# KiCad board PC110.kicad_pcb (continued)
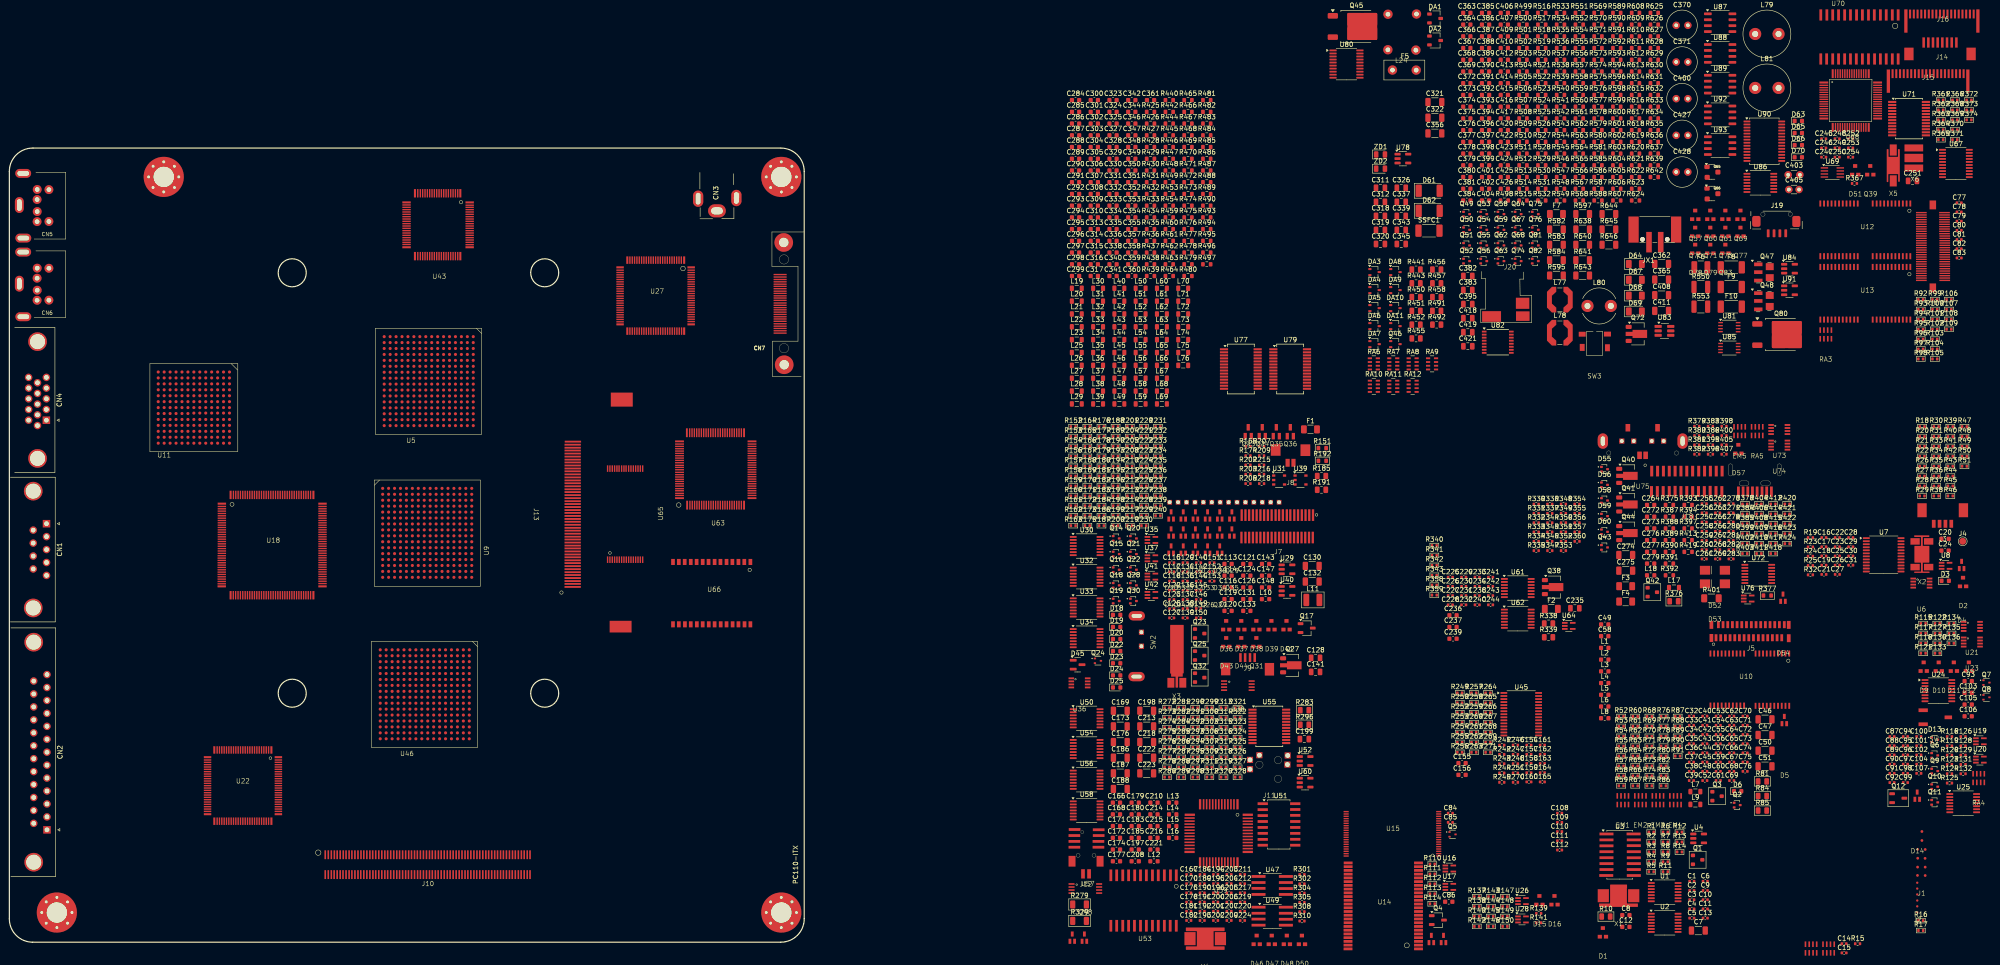
[diagram p0: board, top side]
## Nets (continued)
PNET4_PC110: C392.2 C406.1 D66.1 D68.1 D69.1 Q66.2 Q74.2 R565.2 R569.2 R587.1 R604.2 R627.2 U87.1 U87.2 U87.3 U88.1 U88.2 U88.3
PNET5: C21.2 C108.1 C111.1 C112.1 C122.1 C154.1 C207.2 C259.2 C261.2 C270.2 C271.1 D15.1 D15.3 D16.1 D16.3 D24.1 D50.3 F4.2 J7.10 J7.11 J7.30 Q3.2 Q12.2 Q25.2 Q31.1 Q39.1 Q40.3 Q42.2 Q44.3 R141.2 R222.1 R241.2 R311.1 R313.1 R314.1 R315.1 R317.1 R319.2 R320.2 R321.2 R322.2 R329.2 R379.1 R380.2 R382.1 R383.1 R385.2 R386.1 R405.1 R407.1 R416.2 R417.2 R418.2 R420.1 R421.2 R422.1 R424.1 R465.1 R466.1 R472.1 R572.1 R610.1 U7.24 U16.5 U17.5 U27.96 U36.8 U45.1 U45.2 U45.25 U45.30 U54.14 U58.14 U59.20 U59.27 U71.24 U72.14 U74.8 U90.21
PNET5_PC110: C381.2 C404.2 C427.1 C428.2 Q58.3 Q77.3 R498.2 R499.2 R532.1 R533.2 R572.2 R595.2 R597.1 R610.2 R643.1 R644.1 R645.1 U81.8 U84.5
PNET6: C169.1 C173.1 C175.2 C209.1 R272.2 R279.1 R281.1 R289.1 R325.1 U47.8 U49.8
PNET7: C18.1 C31.1 C84.1 C85.2 Q23.3 R31.1 R114.1 R132.2 R140.1 R181.2 R186.1 R191.1 R242.1 R243.1 R244.1 R245.1 R246.1 R247.1 R248.1 R249.1 R253.1 R330.2 R331.2 R332.2 R333.2 R334.2 R335.2 R336.2 R337.2 R339.1 R344.2 R414.1 R415.1 R423.1 RA4.5 RA4.6 RA4.7 RA4.8 U8.5 U14.25 U14.35 U15.30 U15.31
PNET8: C136.2 C141.1 Q31.2 Q33.1 Q35.1 R206.2 R208.1 U38.8
PNET9: C158.1 C160.2 C164.1 J10.104 J10.105 R251.2 R263.2 R265.1 R266.2 R267.1 R269.1 R271.2 U45.20 U46.E10 U46.H13
PNET10: C157.1 C159.1 C165.1 J10.34 J10.35 R250.1 R256.1 R257.1 R258.1 R259.1 R260.1 R261.1 U45.10 U46.N7 U46.N12
PNET12: C226.1 C228.1 C231.1 C232.1 C233.2 C234.2 C235.2 F2.1 Q38.3 R338.2 R339.2 R345.2 R348.2 R352.1 R358.2 U61.14 U62.14 U63.5 U63.15 U63.38 U63.56 U63.65 U63.88 U64.5 U65.8
PS2_L1_Pluto: L18.1 R384.2 U22.30
PSU_AUX_SW1: J7.28 R210.1 R611.1 U32.1
PWR_IN_10v5: C425.2 D68.2 D69.2 D70.1 Q57.3 Q68.2 Q80.2 R511.2 R638.1 R640.2
PWRGD: D7.3 R138.1 U1.12 U6.6 U7.9 U18.47 U21.3 U22.67 U27.56
PWRGD_shift: C197.1 R171.2 U7.16 U36.1
PWRGD_shift_buff: D33.3 D34.3 R406.2 U16.2 U36.7 U43.27 U58.1 U58.10 U58.13
Q43_2: C120.2 D22.1 J7.13 Q17.2 R574.1
R73_2: C93.2 J7.15 R115.2 R576.1
R284_2: C113.1 J7.14 R156.1 R157.2 R575.1
R412_1: J7.20 R128.1 R129.1 R131.1 R581.1
RAM_A0: J6.17 R38.1 R50.1 R51.1 U12.18 U13.18
RAM_A1: J6.18 R36.1 R37.1 R39.1 U12.19 U13.19
RAM_A2: J6.19 R34.1 R35.1 R40.1 U12.20 U13.20
RAM_A3: J6.20 R33.1 R41.1 U12.21 U13.21
RAM_A4: J6.41 R42.1 R98.2 U12.24 U13.24
RAM_A5: J6.42 R43.1 R97.2 U12.25 U13.25
RAM_A6: J6.43 R44.1 R96.1 U12.26 U13.26
RAM_A7: J6.44 R45.1 U12.27 U13.27
RAM_A8: J6.45 R46.1 U12.28 U13.28
RAM_A9: J6.46 R47.1 U12.29 U13.29
RAM_A10: J6.16 R48.1 R95.2 U12.17 U13.17
RAM_A11: J6.15 R49.1 R94.1 U12.16 U13.16
RAM_ID0: J6.60 R99.1 U22.31
RAM_ID1: J6.31 R101.1 U22.32
RAMWE#: J6.50 R100.2 U12.14 U13.14
RESET: D44.1 D44.3 R233.1 U1.11 U11.K10 U27.55 U46.T3
RIOUT#: U23.6 U46.C8
RTCBAT: C16.2 C19.1 C20.1 D2.2 R20.2 R23.2 R135.2 U6.8 U9.T11
SA0: J13.39 U7.11 U9.E15 U15.21 U18.55 U22.8 U27.26 U46.F5 U63.35
SA1: J13.37 U9.E16 U14.13 U15.20 U18.56 U22.9 U27.27 U46.D4 U59.42 U63.34
SA2: J13.35 U14.12 U15.19 U18.57 U22.10 U27.28 U46.C2 U59.43 U63.33 U68.7
SA3: U14.11 U15.18 U18.58 U22.11 U27.29 U46.E4 U59.45
SA4: U14.10 U15.17 U18.59 U22.12 U27.30 U46.G5 U59.46
SA5: U14.9 U15.16 U18.60 U22.15 U27.31 U46.D2 U59.47
SA6: U14.8 U15.15 U18.61 U22.16 U27.32 U46.E3 U59.48
SA7: U14.7 U15.14 U18.62 U22.17 U27.39 U46.E2 U59.49
SA8: U14.6 U15.8 U18.63 U22.18 U27.40 U46.F1 U59.50
SA9: U14.44 U15.7 U18.65 U22.19 U27.41 U46.G4 U59.51
SA10: U14.43 U15.36 U18.66 U22.20 U46.F3
SA11: U14.42 U15.6 U18.67 U22.21 U46.G2
SA12: U14.41 U15.5 U18.68 U20.1 U22.22 U46.G3
SA13: U15.4 U18.69 U20.2 U46.H2
SA14: U15.3 U18.70 U22.24 U46.H4
SA15: U15.2 U18.71 U22.25 U46.H3
SD0: J13.41 R330.1 U9.L13 U14.17 U15.25 U18.96 U22.33 U27.46 U46.K2 U55.3 U63.22 U68.3
SD1: J13.43 R331.1 U9.L16 U14.19 U15.26 U18.95 U22.34 U27.47 U46.L1 U55.4 U63.21 U68.2
SD2: J13.45 R332.1 U9.L15 U14.21 U15.27 U18.94 U22.35 U27.48 U46.L2 U55.5 U63.19 U68.1
SD3: J13.3 R333.1 U9.L14 U14.23 U15.28 U18.93 U22.36 U27.49 U46.M1 U55.6 U63.18 U68.64
SD4: J13.5 R334.1 U9.L12 U14.26 U15.32 U18.92 U22.39 U27.51 U46.L4 U55.7 U63.17 U68.63
SD5: J13.7 R335.1 U9.M16 U14.28 U15.33 U18.91 U22.40 U27.52 U46.M2 U55.8 U63.16 U68.62
SD6: J13.9 R336.1 U9.M15 U14.30 U15.34 U18.89 U22.41 U27.53 U46.M3 U55.9 U63.14 U68.61
SD7: R337.1 U9.M12 U14.32 U15.35 U18.88 U22.42 U27.54 U46.N2 U55.10 U68.60
SD8: J13.44 U9.N16 U14.18 U46.A5 U63.9
SD9: J13.46 U9.N15 U14.20 U46.B6 U63.8
SD10: J13.48 U9.M13 U14.22 U46.C6 U63.7
SD11: J13.4 U9.N14 U14.24 U46.A6 U63.6
SD12: J13.6 U9.P16 U14.27 U46.B7 U63.4
SD13: J13.8 U9.P15 U14.29 U46.C7 U63.3
SD14: J13.10 U9.P14 U14.31 U46.A7 U63.2
SD15: J13.12 U9.R16 U14.33 U46.B8 U63.1
U8_1A3_KB_TP139: R211.2 U67.6
U8_2A1_KB_RXD: R219.2 U67.11
U21_97: R230.1 U18.97
U21_98: R229.2 U18.98
U21_101: R227.2 U18.101
U21_102: R226.1 U18.102
U21_103: R225.2 U18.103
U21_104: R224.2 U18.104
U21_105: R223.1 U18.105
U21_131: J7.27 R612.1 U18.131
U21_139: D45.1 D45.3 R238.1 U18.139
U30_D0: R158.2 U22.1 U30.2
U53_2CLK: R161.1 U22.3 U25.11 U30.3
U54_1PRE#: U34.4 U35.4
U61_RAM_LCASL#: R108.1 U9.D8 U13.32
U61_RAM_LCASU#: R106.1 U9.A9 U12.32
U61_RAM_RAMWE#: R100.1 U9.B8
U61_RAM_RAS0: R92.2 U9.C13
U61_RAM_RAS2: R105.1 U9.B13
U61_RAM_RAS3: R104.1 U9.A13
U61_RAM_UCASL#: R109.2 U9.A8 U13.31
U61_RAM_UCASU#: R107.1 U9.D9 U12.31
U61_RTCBAT_470K: Q21.3 R23.1 U9.P10
U71_OR1_IN2: U7.19 U58.2
U106_1CLK: R164.2 U33.3 U43.11
UNKNOWN1: U7.4 U9.R13
UNKNOWN2: U7.5 U9.N12
VGA_ADDHI: U11.J10 U18.124
VGA_Blue: D60.3 R81.1 U11.C10
VGA_CLK: R9.1 U11.K9
VGA_Green: D59.3 R84.1 U11.A12
VGA_HSync: D55.3 R75.1
VGA_Red: D58.3 R85.1 U11.D9
VGA_VSync: D56.3 R78.1
YellowWire1_2: Q15.3 Q30.1 R406.1
YellowWire2_1: C130.1 D36.1 D37.3 D54.1 R185.1
YellowWire2_3: D54.2 J7.6 R570.1
YMF_CLK: R5.2 U50.3
YMF_CS#_Buf: U1.2 U54.2 U56.12 U59.14
YMF_RD#_Buf: U54.5 U58.12 U71.18
YMF_SA0_A0: U7.14 U54.12 U59.41
YMF_VSS_Res: Q11.3 R135.1 U9.P12
YMF_WR#_Buf: U54.9 U58.9 U71.17
Net-(C4--): C4.2 C6.2 U3.2 X1.2
Net-(C5-+): C5.1 C6.1 U3.3 X1.1
Net-(C10--): C7.2 C8.2 C9.2 C10.2 R10.2 U3.4 U3.13
Net-(C11--): C11.2 D1.2 Q1.3 R10.1 R12.1 R14.1 U3.10 U3.16
Net-(C46--): C46.2 C47.2 C49.1 L1.1 U11.M11
Net-(C50--): C50.2 C51.2 C52.1 L2.2 U11.N12
Net-(C53-+): C53.1 J5.26 L4.2
Net-(C54--): C54.2 J5.27 L3.1
Net-(C55--): C55.2 J5.29 L5.2
Net-(C58-+): C58.1 C60.1 J5.4 L7.1 R90.2
Net-(C59--): C59.2 J5.2 L6.1
Net-(C65-+): C65.1 J5.5 R90.1
Net-(C71-+): C71.1 J5.6 L8.1
Net-(C86-+): C86.1 D7.1 Q4.3 R111.1 U15.11
Net-(C114--): C114.2 D20.1 R157.1 U31.2
Net-(C123-+): C123.1 R170.2 U34.1
Net-(C124--): C124.2 R173.2 U34.13
Net-(C126-+): C126.1 D26.3 D27.3 D28.3 Q20.1 R175.2
Net-(C126--): C126.2 C127.2 Q20.2
Net-(C128--): C128.2 Q27.2 R185.2
Net-(C131--): C131.2 D38.2 F1.1 Q29.1
Net-(C132-+): C132.1 L11.1 Q29.3
Net-(C133-+): C133.1 Q27.3 R190.1
Net-(C133--): C133.2 Q26.2 R190.2
Net-(C134-+): C134.1 C135.1
Net-(C142--): C142.2 Q32.2 R201.1 U39.2
Net-(C143-+): C143.1 Q32.1 U39.5
Net-(C147-Pad1): C147.1 C148.2
Net-(C167-+): C167.1 C172.2 R278.1 U47.7
Net-(C167--): C167.2 R274.2 R275.2 R276.2 R277.2 R278.2 U47.6
Net-(C168-+): C168.1 C170.2 R280.1 U48.7
Net-(C171--): C171.2 R277.1
Net-(C172-+): C172.1 U49.1
Net-(C174-+): C174.1 Q37.3 R281.2
Net-(C177-Pad2): C177.2 R284.2
Net-(C179-+): C179.1 U49.6
Net-(C179--): C179.2 R290.2 R291.2 U47.3
Net-(C180-Pad1): C180.1 R289.2 R290.1
Net-(C183-+): C183.1 R286.2
Net-(C184-+): C184.1 R284.1 R294.1 U47.2
Net-(C184--): C184.2 C186.2 C187.2 R294.2 U47.1
Net-(C186-+): C186.1 C187.1 L12.1
Net-(C188-Pad2): C188.2 C200.2 R296.1
Net-(C196-Pad1): C196.1 U56.11
Net-(C203-+): C203.1 R306.1 R316.1 U57.4
Net-(C203--): C203.2 J12.2 R316.2 U57.5
Net-(C210-+): C210.1 U59.4
Net-(C210--): C210.2 R323.1 R326.1
Net-(C213-+): C213.1 R325.2 R326.2
Net-(C214-+): C214.1 U59.1
Net-(C214--): C214.2 C219.2 U59.2
Net-(C215-+): C215.1 U59.7
Net-(C215--): C215.2 C220.2 U59.8
Net-(C216-+): C216.1 U59.10
Net-(C218--): C218.2 C221.1 R328.1 U59.11
Net-(C225-+): C225.1 C227.1 F2.2 J13.25 J13.26
Net-(C229-Pad1): C229.1 C230.2
Net-(C229-Pad2): C229.2 R357.2
Net-(C248--): C248.2 U68.23 X5.1
Net-(C249--): C249.2 U68.22 X5.2
Net-(C251-+): C251.1 D51.1 D51.3 R374.1 U70.16
Net-(C253--): C253.2 U70.27 X6.2
Net-(C254-+): C254.1 U70.26 X6.1
Net-(C256-+): C256.1 J17.4 L17.2
Net-(C257-+): C257.1 J17.7 L18.2
Net-(C258-+): C258.1 EM5.1 J17.5
Net-(C262-+): C262.1 EM5.2 J17.3
Net-(C263--): C263.2 EM5.3 J17.6
Net-(C264-+): C264.1 Q40.1 R381.2
Net-(C264--): C264.2 F3.2 Q40.2
Net-(C265--): C265.2 EM5.4 J17.2
Net-(C272-+): C272.1 Q41.1 R395.1 R396.2
Net-(C273--): C273.2 C275.1 R397.1 U75.6
Net-(C274--): C274.2 R401.1 U75.8
Net-(C276--): C276.2 U75.5
Net-(C277--): C277.2 U75.3
Net-(C278-+): C278.1 U73.1 U75.1
Net-(C279--): C279.2 J18.18
Net-(C283-+): C283.1 D57.1 D57.3 R404.1 U76.2
Net-(C284-+): C284.1 CN1.1 L19.2
Net-(C285--): C285.2 CN2.13 L20.2
Net-(C286-+): C286.1 CN1.9 L21.2
Net-(C288--): C288.2 CN2.12 L22.2
Net-(C289-+): C289.1 CN3.2 L24.1
Net-(C289--): C289.2 CN3.1 L24.3
Net-(C290-+): C290.1 CN1.8 L23.2
Net-(C292--): C292.2 CN2.11 L25.2
Net-(C293-+): C293.1 CN1.7 L26.2
Net-(C294--): C294.2 CN2.10 L27.2
Net-(C295-+): C295.1 F5.1 L24.4 SSFC1.1
Net-(C296-+): C296.1 CN1.6 L28.2
Net-(C297--): C297.2 CN2.9 L29.2
Net-(C298-+): C298.1 CN1.4 L30.2
Net-(C299--): C299.2 CN2.8 L31.2
Net-(C300-+): C300.1 Q45.3 R441.2 R443.1
Net-(C301-+): C301.1 CN1.3 L32.2
Net-(C302--): C302.2 CN2.7 L33.2
Net-(C303--): C303.2 CN1.2 L34.2
Net-(C304--): C304.2 CN2.6 L35.2
Net-(C305--): C305.2 CN2.5 L36.2
Net-(C306--): C306.2 CN2.17 L37.2
Net-(C307--): C307.2 CN2.4 L38.2
Net-(C308--): C308.2 CN2.16 L39.2
Net-(C309--): C309.2 CN2.3 L40.2
Net-(C310--): C310.2 CN2.15 L41.2
Net-(C311-+): C311.1 U77.4
Net-(C311--): C311.2 U77.2
Net-(C312--): C312.2 U77.1
Net-(C313--): C313.2 CN2.2 L42.2
Net-(C314--): C314.2 CN2.14 L43.2
Net-(C315--): C315.2 CN2.1 L44.2
Net-(C317--): C317.2 R465.2 U78.5
Net-(C318-+): C318.1 U77.28
Net-(C318--): C318.2 U77.26
Net-(C319-+): C319.1 U77.25
Net-(C320-+): C320.1 U79.4
Net-(C320--): C320.2 U79.3
Net-(C321-+): C321.1 C322.1 U79.1
Net-(C323-+): C323.1 R472.2 R473.1 U79.2
Net-(C324-+): C324.1 C325.1 U79.28
Net-(C326-+): C326.1 U79.26
Net-(C326--): C326.2 U79.27
Net-(C327--): C327.2 CN7.26 L45.2
Net-(C328-+): C328.1 CN7.25 L46.2
Net-(C329-+): C329.1 CN7.24 L47.2
Net-(C330-+): C330.1 CN7.23 L48.2
Net-(C331--): C331.2 CN7.22 L49.2
Net-(C332--): C332.2 CN7.21 L50.2
Net-(C333--): C333.2 CN7.20 L51.2
Net-(C334--): C334.2 CN7.19 L52.2
Net-(C336-+): C336.1 CN7.17 L53.2
Net-(C338--): C338.2 CN7.15 L54.2
Net-(C340-+): C340.1 C341.1 L55.1 L61.2 L62.2
Net-(C342-+): C342.1 CN7.13 L56.1
Net-(C343-+): C343.1 CN4.14 L57.2
Net-(C344--): C344.2 CN7.12 L58.2
Net-(C345-+): C345.1 CN4.13 L65.2
Net-(C346--): C346.2 CN5.1 CN6.2 L59.1
Net-(C347--): C347.2 CN7.11 L66.2
Net-(C348--): C348.2 CN6.1 L64.1
Net-(C350--): C350.2 CN5.5 CN6.6 L60.1
Net-(C351-+): C351.1 CN7.9 L67.2
Net-(C352--): C352.2 CN6.5 L63.1
Net-(C354-+): C354.1 CN7.8 L68.2
Net-(C355-+): C355.1 CN7.7 L70.2
Net-(C356--): C356.2 C359.2 C361.2 CN7.2 CN7.18 L69.2 R497.2
Net-(C357-+): C357.1 CN7.6 L74.2
Net-(C358--): C358.2 CN7.5 L75.2
Net-(C360-+): C360.1 CN7.14 L76.2
Net-(C363-+): C363.1 R503.2
Net-(C363--): C363.2 R501.2 U81.2
Net-(C364-+): C364.1 R504.2 U81.5 U81.7
Net-(C364--): C364.2 R505.2
Net-(C367-+): C367.1 F6.1 L77.2
Net-(C368-+): C368.1 F7.1 L78.1
Net-(C372-+): C372.1 Q51.3 R507.1 R509.1 R510.1 U82.3
Net-(C373-+): C373.1 C375.1 U82.5
Net-(C373--): C373.2 R508.2
Net-(C375--): C375.2 R508.1 R525.2 R526.1 U82.4
Net-(C376--): C376.2 Q51.1 R519.2 U82.7
Net-(C377-+): C377.1 Q52.3 R515.1 R516.2 U82.14
Net-(C378-+): C378.1 Q52.1 R514.1
Net-(C379-+): C379.1 R521.1
Net-(C379--): C379.2 R523.1 U82.12
Net-(C380-+): C380.1 C382.2 C385.1 C386.2 Q51.2 Q52.2 R524.2 R525.1 R527.2 R528.1 U82.16
Net-(C383--): C383.2 U82.15
Net-(C384-+): C384.1 R532.2 U82.9
Net-(C385--): C385.2 R527.1 R536.1 U82.11
Net-(C386-+): C386.1 R528.2 R529.2 U82.6
Net-(C387-+): C387.1 R540.2 R541.1 U83.2 U83.5
Net-(C387--): C387.2 Q59.3 R540.1
Net-(C388--): C388.2 R538.1 U82.1
Net-(C389-+): C389.1 R543.1 R547.1 U85.2
Net-(C389--): C389.2 Q60.1 R543.2 U85.1
Net-(C390-+): C390.1 R544.1 R545.1 R546.1 U85.3
Net-(C391--): C391.2 R549.2 R554.2 U86.2
Net-(C392-+): C392.1 R551.2
Net-(C393--): C393.2 R551.1
Net-(C394-+): C394.1 Q62.3 R564.2
Net-(C394--): C394.2 C395.1 Q62.1 R548.1
Net-(C396-+): C396.1 R552.1 R556.1 U86.3
Net-(C396--): C396.2 Q67.1 R556.2
Net-(C397-+): C397.1 Q65.1 R560.1
Net-(C399--): C399.2 Q69.3 R557.1 R563.2 U86.9
Net-(C400--): C400.2 R582.1 R583.1
Net-(C402-+): C402.1 L79.2 R582.2 R583.2 R585.2
Net-(C402--): C402.2 R585.1 R620.2 R622.2 U90.1
Net-(C406--): C406.2 Q66.3 R564.1 R587.2 U88.4
Net-(C407--): C407.2 F8.2 L80.1 Q67.3 R584.2 R593.2
Net-(C409--): C409.2 R601.2 R618.1 U90.28
Net-(C410--): C410.2 R600.2 R619.2 U86.13
Net-(C411--): C411.2 D67.2 Q72.3 Q74.3
Net-(C412--): C412.2 U90.2
Net-(C413--): C413.2 F9.1 J19.4
Net-(C414-+): C414.1 L79.1 Q70.2 U89.3 U89.7 U89.8 U90.26
Net-(C414--): C414.2 Q78.3 U90.25
Net-(C415-+): C415.1 R623.2 U85.6
Net-(C415--): C415.2 Q60.3 U85.7
Net-(C416--): C416.2 R628.1 U90.23
Net-(C417-+): C417.1 Q80.3 R635.2 R636.1
Net-(C418-+): C418.1 U90.10
Net-(C419--): C419.2 R637.2 U90.3 U90.6 U90.12 U90.13
Net-(C421--): C421.2 Q78.2 R637.1 U90.22
Net-(C422-+): C422.1 R627.1 R634.1 U91.2
Net-(C423-+): C423.1 U90.14
Net-(C424-+): C424.1 L81.2 Q83.2 U90.17 U92.1 U92.2 U92.3 U93.5 U93.6 U93.7 U93.8
Net-(C424--): C424.2 Q78.1 U90.18
Net-(C426-+): C426.1 J20.2 R641.1 R646.2
Net-(C426--): C426.2 F10.1 R640.1 R646.1
Net-(CN2-P18): CN2.18 CN2.19 CN2.20 CN2.21 CN2.22 CN2.23 CN2.24 CN2.25
Net-(D2-A-Pad3): D2.3 R18.1
Net-(D3-K): D2.1 D3.1 R19.1
Net-(D4-K): D4.1 R19.2
Net-(D5-A): D5.2 R87.1
Net-(D5-common): D5.3 Q2.1 R83.1
Net-(D5-K): D5.1 R83.2 U11.A11
Net-(D6-K): D6.1 L6.2 R89.2
Net-(D7-K): D7.2 R110.2 U15.10
Net-(D8-Pad1): D8.1 D8.2 R114.2 U17.2
Net-(D13-Pad3): D13.3 R133.2
Net-(D14-A): D14.2 R134.1
Net-(D14-common): D14.3 Q10.1 R130.1
Net-(D15-K): D15.2 R142.2 R143.2 R144.2 R145.2
Net-(D16-K): D16.2 R146.2 R147.2 R148.2 R149.1 R150.1
Net-(D18-A): D18.2 Q16.3
Net-(D18-K): D18.1 R160.2
Net-(D19-K): D19.1 R152.1 R156.2 R159.2 U29.2
Net-(D21-K): D21.2 U33.5
Net-(D22-A): D22.2 D27.2
Net-(D23-A): D23.2 D27.1
Net-(D24-A): D24.2 D28.2
Net-(D25-A): D25.2 D28.1
Net-(D26-Pad2): D26.2 R172.1
Net-(D29-Pad2): D29.2 U23.3
Net-(D29-Pad3): D29.3 R174.2
Net-(D32-Pad1): D32.1 D32.2 D35.1 D35.2 R178.1 U37.2
Net-(D32-Pad3): D32.3 U32.4
Net-(D33-Pad2): D33.2 R179.1
Net-(D34-Pad1): D34.1 R180.1
Net-(D35-Pad3): D35.3 U32.2
Net-(D37-A): D37.1 L11.2 Q26.3
Net-(D38-A-Pad1): D38.1 D38.3 R191.2
Net-(D40-K): D40.1 D42.2
Net-(D41-A): C146.2 D39.1 D41.2 R204.1 U40.2
Net-(D41-K): D41.1 R220.1 U40.1 U42.2
Net-(D42-K): C149.2 D42.1 U41.5 U42.5
Net-(D43-K): D43.2 U41.4
Net-(D44-K): D44.2 U41.2 U42.4
Net-(D45-K): D45.2 U43.9
Net-(D47-K): D47.2 Q37.2 R286.1 R287.2 R288.1
Net-(D48-K): D48.2 U32.6
Net-(D50-K): D50.1 U36.3 U60.1
Net-(D57-K): D57.2 R404.2 U73.3
Net-(D61-A): D61.2 D62.2 F5.2 Q45.2 R450.2 R455.2 R456.2 SSFC1.2 ZD1.1
Net-(D63-A): D63.2 Q56.1
Net-(D64--): D64.2 L80.2 U87.5 U87.6 U87.7 U87.8
Net-(D65-K): D65.1 Q71.2 R621.1
Net-(D66-A+): D66.2 Q74.1 R624.2
Net-(D70-A): D70.2 R635.1
Net-(DA1-K): DA1.3 RA6.1 RA6.2 RA6.3 RA6.4
Net-(DA2-K): DA2.3 RA7.1 RA7.2 RA7.3 RA7.4
Net-(DA3-K): DA3.1 DA4.2 R475.2
Net-(DA4-K): DA4.1 DA5.2
Net-(DA5-K): DA5.1 DA6.2 DA7.2
Net-(DA6-common): DA6.3 R479.2 U80.11 U80.13 U80.15 U80.17
Net-(DA7-common): DA7.3 R478.2 U80.2 U80.4 U80.6 U80.8
Net-(DA10-A): DA8.2 DA9.2 DA10.2 DA11.1
Net-(F10-Pad2): F10.2 J20.1
Net-(J5-Pin_1): J5.1 J5.7 J5.16 J5.25 J5.28 J5.30 L9.1
Net-(J6-RAS2): J6.11 R103.2 R105.2
Net-(J6-RAS3): J6.49 R102.2 R104.2
Net-(J8-Pin_1): F1.2 J8.1
Net-(J11-G): J11.3 L13.2
Net-(J11-MO): C192.2 J11.5 L15.2
Net-(J11-SI): C189.1 J11.2 L12.2
Net-(J11-SO): C193.2 J11.1 L14.1
Net-(J12-Pin_1): J12.1 U57.8
Net-(J13-CE1#): J13.13 R347.1 R348.1 U63.37
Net-(J13-CE2#): J13.14 R345.1 R346.1 U63.39
Net-(J13-CSEL#): J13.28 R343.2
Net-(J13-IOR#): J13.18 R349.1 R354.2
Net-(J13-IOW#): J13.20 R353.1 R355.2
Net-(J17-GND-Pad1): J17.1 R377.2
Net-(J17-GND-Pad8): J17.8 R376.2
Net-(J18-DRT1#): J18.6 U56.8
Net-(J18-RTS1#): J18.9 U56.6
Net-(J18-TXD1): J18.11 U56.3
Net-(JX1-Pin_1): F8.1 JX1.1
Net-(JX1-Pin_2): JX1.2 R550.2 R553.2 R554.1 R557.2 R590.2
Net-(L3--): L3.2 R76.2
Net-(L4-+): L4.1 R77.2
Net-(L5-+): L5.1 R82.2
Net-(L7--): L7.2 Q3.3 R87.2 R89.1
Net-(L10--): L10.2 Q17.3 R151.1 R153.1
Net-(L14--): C194.1 L14.2 R306.2
Net-(L15-+): L15.1 R303.1
Net-(L16-+): L16.1 R323.2
Net-(L19-+): L19.1 R425.1 R426.2
Net-(L20-+): L20.1 R429.2
Net-(L21-+): L21.1 R427.1 R428.2
Net-(L22-+): L22.1 R432.2
Net-(L23-+): L23.1 R430.1 R431.2
Net-(L25-+): L25.1 R435.2
Net-(L26-+): L26.1 R433.1 R434.2
Net-(L27-+): L27.1 R438.2
Net-(L28-+): L28.1 R436.1 R437.2
Net-(L29-+): L29.1 R442.2
Net-(L30-+): L30.1 R439.1 R440.2
Net-(L31-+): L31.1 R446.1
Net-(L32-+): L32.1 R444.1 R445.2
Net-(L33-+): L33.1 R449.2
Net-(L34-+): L34.1 R447.1 R448.2
Net-(L35-+): L35.1 R453.2
Net-(L36-+): L36.1 R454.2
Net-(L37-+): L37.1 R459.2
Net-(L38-+): L38.1 R460.2
Net-(L39-+): L39.1 R461.2
Net-(L40-+): L40.1 R462.2
Net-(L41-+): L41.1 R463.2
Net-(L42-+): L42.1 R464.2
Net-(L43-+): L43.1 R467.2
Net-(L44-+): L44.1 R471.2
Net-(L57-+): L57.1 R492.2
Net-(L61-+): CN5.4 L61.1
Net-(L62-+): CN6.4 L62.1
Net-(L65-+): L65.1 R491.2
Net-(L71--): CN4.1 L71.2
Net-(L72--): CN4.2 L72.2
Net-(L73--): CN4.3 L73.2
Net-(L77-+): L77.1 Q47.3 Q47.5
Net-(L78--): L78.2 Q48.3 Q48.5
Net-(L81-+): L81.1 R643.2 R644.2 R645.2 U90.15
Net-(Q1-B): Q1.1 U1.13
Net-(Q2-C): Q2.3 R88.1
Net-(Q3-B): Q3.1 R88.2
Net-(Q4-B): Q4.1 R112.2
Net-(Q5-B): Q5.1 R113.2
Net-(Q5-C): Q5.3 R112.1
Net-(Q6-B): C105.2 Q6.1 R125.2
Net-(Q6-C): Q6.3 R122.2 U21.1 U22.45
Net-(Q7-B): Q7.1 R120.1
Net-(Q7-C): Q7.3 R128.2
Net-(Q8-B): Q8.1 R123.1
Net-(Q8-C): Q8.3 R129.2
Net-(Q9-B): Q9.1 R124.1
Net-(Q9-C): Q9.3 R131.2
Net-(Q10-C): Q10.3 R136.1
Net-(Q11-B): Q11.1 R133.1
Net-(Q12-B): Q12.1 R136.2
Net-(Q13-B): Q13.2 Q14.3 R153.2
Net-(Q13-C): Q13.3 R151.2
Net-(Q14-B): Q14.1 Q16.1 R154.2
Net-(Q15-B): Q15.1 R152.2 U29.1
Net-(Q17-B): Q17.1 R160.1
Net-(Q18-B): Q18.1 R169.1
Net-(Q19-B): Q19.1 R171.1
Net-(Q19-C): C118.1 Q19.3 R163.2 U30.13
Net-(Q21-B): Q21.1 R174.1
Net-(Q22-B): Q22.1 R181.1
Net-(Q22-C): Q22.3 R183.1
Net-(Q22-E): D33.1 Q22.2
Net-(Q23-B): Q23.1 R179.2 R183.2
Net-(Q24-B): Q24.1 R182.1
Net-(Q24-C): Q24.3 R184.1
Net-(Q24-E): D34.2 Q24.2
Net-(Q25-B): Q25.1 R180.2 R184.2
Net-(Q28-B): Q28.1 R189.2
Net-(Q29-B): Q29.2 R192.1
Net-(Q30-C): Q30.3 R192.2
Net-(Q31-B): Q31.3 U43.39
Net-(Q33-C): Q33.2 R202.2
Net-(Q35-C): Q35.2 R203.2
Net-(Q38-B): Q38.1 R360.1
Net-(Q38-C): C236.1 Q38.2 U66.28
Net-(Q41-E): F4.1 Q41.3 R395.2
Net-(Q42-C): Q42.3 R397.2
Net-(Q43-B): Q43.1 R400.2
Net-(Q43-C): Q43.3 R398.1
Net-(Q44-B): Q44.1 R399.1
Net-(Q44-C): Q44.2 R401.2
Net-(Q46-B): Q46.1 R457.1 R458.2
Net-(Q49-B): Q49.1 R506.2
Net-(Q49-C): Q49.3 Q53.1 R518.2
Net-(Q50-B): Q50.1 R512.2 R513.2 R518.1
Net-(Q53-B): Q53.3 Q54.3 Q56.3 R520.2
Net-(Q54-C): Q54.1 R517.2
Net-(Q55-C): Q55.1 R520.1
Net-(Q57-common): Q57.2 R539.1 R541.2 U83.6
Net-(Q58-B): Q58.1 R535.1
Net-(Q58-E): Q58.2 R530.2
Net-(Q59-B): Q59.1 R533.1
Net-(Q59-E): Q59.2 R537.1 U84.4
Net-(Q60-A): Q60.2 R530.1 R531.1 U84.1
Net-(Q61-K): Q61.2 R555.1 R558.2
Net-(Q63-B): Q63.1 R555.2
Net-(Q63-C): Q63.3 R562.2
Net-(Q64-B): Q64.1 R558.1
Net-(Q64-C): Q64.3 R566.2
Net-(Q65-D): Q65.3 Q66.1 R565.1
Net-(Q67-B): Q67.2 R566.1
Net-(Q68-B): Q68.3 R586.2
Net-(Q68-C): Q68.1 R562.1
Net-(Q73-K): Q61.3 Q73.2 R535.2 R642.2
Net-(Q75-C): Q75.3 R626.2
Net-(Q76-B): Q76.1 R629.1
Net-(Q76-C): Q76.3 R624.1
Net-(Q77-A): Q77.2 R630.2
Net-(Q77-K): Q77.1 R625.2
Net-(Q81-B): Q81.1 R639.1
Net-(Q81-C): Q81.3 R544.2 R545.2 R633.2
Net-(Q82-B): Q82.2 R639.2
Net-(Q82-C): Q82.1 R642.1
Net-(R1-Pad1): R1.1 U2.2 U2.5 U2.12
Net-(R2-Pad1): R2.1 U2.9
Net-(R3-Pad1): R3.1 R4.1 U2.8
Net-(R5-Pad1): R5.1 R6.1 U2.11
Net-(R7-Pad2): R7.2 R8.2 U2.6
Net-(R9-Pad2): R9.2 U2.3
Net-(R113-Pad1): R113.1 U16.4
Net-(R188-Pad2): R188.2 U37.4
Net-(R292-Pad2): R292.2 R295.1 U48.1
Net-(R305-Pad2): R305.2 U1.10
Net-(R360-Pad2): R360.2 U64.4
Net-(R396-Pad1): R396.1 R398.2
Net-(R400-Pad1): R400.1 U36.2
Net-(R443--): R443.2 ZD1.2
Net-(R450-+): R450.1 R451.2
Net-(R456-+): R456.1 R457.2
Net-(R468--): R468.2 U77.23
Net-(R469-+): R469.1 U78.2
Net-(R474--): R474.2 U79.16
Net-(R491-+): R491.1 U80.12 U80.14 U80.16 U80.18
Net-(R492-+): R492.1 U80.3 U80.5 U80.7 U80.9
Net-(R498-+): R498.1 U81.1 U81.3 U82.10
Net-(R499-+): R499.1 U81.6
Net-(R500-+): R500.1 R502.1 SW3.2
Net-(R501-+): Q47.1 R501.1 R503.1
Net-(R504-+): Q48.1 R504.1 R505.1
Net-(R511-+): R511.1 R512.1
Net-(R521--): R521.2 R522.1 R523.2 R524.1 U82.13
Net-(R534-+): R534.1 R539.2
Net-(R537--): R537.2 R538.2 U84.3
Net-(R542-+): R542.1 U82.2
Net-(R559--): R559.2 R561.2 U86.10
Net-(R586-+): R586.1 R588.1 U86.5
Net-(R589--): R589.2 R591.2 R592.2 U86.6
Net-(R590-+): Q69.1 R590.1 R599.1 U86.12
Net-(R593-+): R593.1 R594.2
Net-(R595-+): Q71.3 R595.1 R596.2
Net-(R597--): Q71.1 R597.2 R598.2
Net-(R626-+): R626.1 R631.1 R633.1 U85.5
Net-(R629--): R629.2 R632.1 U91.1
Net-(R632--): R632.2 R634.2
Net-(RA1-R1.1): RA1.1 U5.P4
Net-(RA1-R2.1): RA1.2 U5.T5
Net-(RA1-R3.1): RA1.3 U5.R5
Net-(RA1-R4.1): RA1.4 U5.P5
Net-(RA2-R1.1): RA2.1 U5.L16
Net-(RA2-R2.1): RA2.2 U5.R13
Net-(RA2-R3.1): RA2.3 U5.T10
Net-(RA2-R4.1): RA2.4 U5.T7
Net-(RA4-R1.1): D11.1 D11.3 RA4.1 U22.69
Net-(RA4-R2.1): D12.1 D12.3 RA4.2 U22.68
Net-(RA4-R3.1): D9.1 D9.3 RA4.3 U22.71
Net-(RA4-R4.1): D10.1 D10.3 RA4.4 U22.70
Net-(SW1-B): R125.1 R126.2 SW1.2
Net-(SW2-B): R162.1 R166.1 SW2.2
Net-(U1-Pad1): U1.1 U1.8
Net-(U1-Pad4): U1.4 U1.9
Net-(U3-3XCPUCLK): R11.1 U3.14
Net-(U3-14.318MHz): R1.2 U3.11
Net-(U3-24MHz): R2.2 U3.6
Net-(U3-OE): R13.1 U3.9 U4.1
Net-(U4-CD): C12.1 D1.3 U4.5
Net-(U4-VDD): C13.1 D1.1 R14.2 U4.2
Net-(U5-A30): R15.2 U5.T6
Net-(U5-CLK_CPU): R16.1 R17.2 U5.A9
Net-(U7-A3): R28.1 U7.6 U9.P13
Net-(U9-CPUCLK33): R32.2 U9.J3
Net-(U9-IOR#): R30.1 U9.J15
Net-(U9-IOW#): R29.2 U9.J14
Net-(U9-MEMR#): R26.2 U9.F13
Net-(U9-MEMW#): R27.2 U9.G14
Net-(U9-PS/RCLR#): C24.1 R20.1 U9.M11
Net-(U9-PWRGD): R21.2 U6.2 U9.R10
Net-(U9-RAMA0): R38.2 U9.C12
Net-(U9-RAMA1): R39.2 U9.E12
Net-(U9-RAMA2): R40.2 U9.B12
Net-(U9-RAMA3): R41.2 U9.E11
Net-(U9-RAMA4): R42.2 U9.C11
Net-(U9-RAMA5): R43.2 U9.B11
Net-(U9-RAMA6): R44.2 U9.A11
Net-(U9-RAMA7): R45.2 U9.D11
Net-(U9-RAMA8): R46.2 U9.B10
Net-(U9-RAMA9): R47.2 U9.A10
Net-(U9-RAMA10): R48.2 U9.D10
Net-(U9-RAMA11): R49.2 U9.C9
Net-(U9-RESET): U8.2 U9.N13
Net-(U9-RTCOSCI): C23.2 U9.R11 X2.1
Net-(U9-RTCOSCO): C25.2 U9.P11 X2.4
Net-(U9-TP1): J4.1 U9.T14
Net-(U9-UNKNOWN3): R24.2 U9.R8
Net-(U9-UNKNOWN4): R25.2 U9.N8
Net-(U10-A0): R58.1 U10.16 U11.G2
Net-(U10-A1): U10.17 U11.G1
Net-(U10-A2): U10.18 U11.G3
Net-(U10-A3): U10.19 U11.G5
Net-(U10-A4): U10.22 U11.H1
Net-(U10-A5): R57.1 U10.23 U11.H2
Net-(U10-A6): U10.24 U11.H5
Net-(U10-A7): U10.25 U11.H3
Net-(U10-A8): R56.1 U10.26 U11.J1
Net-(U10-DQ0): R74.1 U10.2 U11.L1
Net-(U10-DQ1): R73.2 U10.3 U11.K3
Net-(U10-DQ2): R72.2 U10.4 U11.L2
Net-(U10-DQ3): R71.2 U10.5 U11.K4
Net-(U10-DQ4): R70.2 U10.7 U11.L3
Net-(U10-DQ5): R69.2 U10.8 U11.N1
Net-(U10-DQ6): R68.2 U10.9 U11.M2
Net-(U10-DQ7): R67.2 U10.10 U11.L4
Net-(U10-DQ8): R66.1 U10.31 U11.N2
Net-(U10-DQ9): R65.1 U10.32 U11.M3
Net-(U10-DQ10): R64.2 U10.33 U11.K5
Net-(U10-DQ11): R63.1 U10.34 U11.J5
Net-(U10-DQ12): R62.1 U10.36 U11.N3
Net-(U10-DQ13): R61.2 U10.37 U11.M4
Net-(U10-DQ14): R60.1 U10.38 U11.L5
Net-(U10-DQ15): R59.2 U10.39 U11.N4
Net-(U10-LCAS#): R53.2 U10.29
Net-(U10-RAS#): R54.1 U10.14
Net-(U10-UCAS#): R52.2 U10.28
Net-(U10-WE#): R55.1 U10.13
Net-(U11-CASAH#): R55.2 U11.K1
Net-(U11-CASAL#): R53.1 U11.K2
Net-(U11-CCLK): R79.2 U11.E10
Net-(U11-FLM): R77.1 U11.B9
Net-(U11-HSYNC): R75.2 U11.A10
Net-(U11-LP): R76.1 U11.A9
Net-(U11-OEL#): R80.1 U11.B13
Net-(U11-P0): EM1.5 U11.E8
Net-(U11-P1): EM1.6 U11.A8
Net-(U11-P2): EM1.7 U11.B7
Net-(U11-P3): EM1.8 U11.A7
Net-(U11-P4): EM2.5 U11.E7
Net-(U11-P5): EM2.6 U11.A6
Net-(U11-P6): EM2.7 U11.B6
Net-(U11-P7): EM2.8 U11.E6
Net-(U11-P8): EM3.5 U11.C6
Net-(U11-P9): EM3.6 U11.A5
Net-(U11-P10): EM3.7 U11.B5
Net-(U11-P11): EM3.8 U11.D6
Net-(U11-P12): EM4.5 U11.A4
Net-(U11-P13): EM4.6 U11.C5
Net-(U11-P14): EM4.7 U11.B4
Net-(U11-P15): EM4.8 U11.A3
Net-(U11-RASA#): R54.2 U11.H4
Net-(U11-RSET): R86.2 U11.A13
Net-(U11-SHFCLK): R82.1 U11.B8
Net-(U11-UCAS#): R52.1 U11.J3
Net-(U11-VSYNC): R78.2 U11.C9
Net-(U12-RAS#): R92.1 R93.2 U12.15 U13.15
Net-(U15-WE#): U15.9 U17.4
Net-(U18-Chipset_IO3): R117.1 U18.39
Net-(U18-CPUCLK): R116.1 U18.38
Net-(U18-PSU_IO2): R115.1 U18.138
Net-(U18-PWRGD_IN): U18.141 U19.4
Net-(U19-Pad2): U19.2 U21.5
Net-(U22-FF_2D): R121.1 U22.2 U25.12
Net-(U22-FF_2Q#): U22.90 U24.12 U25.1
Net-(U22-Pluto_55): R120.2 U22.55
Net-(U22-Pluto_56): R123.2 U22.56
Net-(U22-Pluto_57): R124.2 U22.57
Net-(U22-PNET7_SENSE): R132.1 U22.74
Net-(U22-SA13): U20.4 U22.23
Net-(U24A-A): U22.46 U22.78 U24.1
Net-(U24A-Cext): C103.2 U24.14
Net-(U24A-Q): D13.2 U24.13
Net-(U24A-RCext): C103.1 R118.2 U24.15
Net-(U24B-B): U23.7 U24.10
Net-(U24B-Clr): U24.11 U25.8
Net-(U24B-Q): D13.1 U24.5
Net-(U24B-RCext): C106.1 R127.1 U24.7
Net-(U25A-C): U21.7 U23.2 U25.3
Net-(U25A-~{Q}): C107.2 U23.1 U25.6
Net-(U26-Pad1): U26.1 U28.4
Net-(U27-IOW#): U26.4 U27.43
Net-(U30A-~{Q}): R163.1 U30.6
Net-(U30B-C): U30.11 U32.12
Net-(U30B-Q): D29.1 U30.9 U33.11
Net-(U30B-~{Q}): U30.8 U35.1
Net-(U31-OUT): R167.1 U31.1 U32.9
Net-(U33A-~{Q}): U33.6 U35.2
Net-(U33B-Q): D30.3 U33.9
Net-(U34A-C): U32.10 U34.3
Net-(U34B-C): U32.8 U34.11
Net-(U34B-Q): R172.2 U34.9
Net-(U36-Pad6): U36.6 U58.3 U72.1 U72.13
Net-(U38A-+): R194.1 R196.1 U38.3
Net-(U38A--): C139.1 R198.1 R200.1 U38.2
Net-(U38B-+): R193.1 R195.1 U38.5
Net-(U38B--): C138.1 R197.1 R199.1 U38.6
Net-(U39-OUT): R214.1 U39.1 U43.25
Net-(U40-CD): C147.2 U40.5
Net-(U43-P02): R225.1 U43.52
Net-(U43-P03): R226.2 U43.51
Net-(U43-P04): R227.1 U43.50
Net-(U43-P05): R228.1 U43.49
Net-(U43-P06): R229.1 U43.48
Net-(U43-P10): R218.2 U43.46
Net-(U43-P11): R217.2 U43.45
Net-(U43-P12): R216.1 U43.44
Net-(U43-P13): R215.2 U43.43
Net-(U43-P16): R213.2 U43.40
Net-(U43-P22): R212.2 U43.36
Net-(U43-P23): R211.1 U43.35
Net-(U43-P40): R210.2 U43.24
Net-(U43-P45): R219.1 U43.19
Net-(U43-P51): R222.2 U43.15
Net-(U43-SEG00): R223.2 U43.54
Net-(U43-SEG01): R224.1 U43.53
Net-(U43-SEG07): R230.2 U43.47
Net-(U43-VL1): R236.2 R237.2 U43.80
Net-(U43-VL2): R237.1 R239.1 U43.79
Net-(U43-VL3): R239.2 R240.1 U43.78
Net-(U43-Xin): C144.1 U43.28 X3.1
Net-(U43-Xout): R205.1 U43.29
Net-(U45-A_VCC3#): U45.6 U46.P4
Net-(U45-A_VCC5#): U45.5 U46.M6
Net-(U45-A_VPP_PGM): U45.3 U46.M5
Net-(U45-A_VPP_VCC): U45.4 U46.T2
Net-(U45-B_VCC3#): U45.26 U46.R2
Net-(U45-B_VCC5#): U45.27 U46.T1
Net-(U45-B_VPP_PGM): U45.29 U46.P2
Net-(U45-B_VPP_VCC): U45.28 U46.R1
Net-(U45-SHDN#): R241.1 U45.14
Net-(U46-CS#): U21.2 U46.M4
Net-(U46-INTR#): R254.1 U46.L5
Net-(U46-SYSCLK): R255.1 U46.C1
Net-(U47B-+): C166.2 R272.1 R273.1 U47.5
Net-(U48A-+): C188.1 R297.1 U48.3
Net-(U48A--): R295.2 U48.2 U51.16
Net-(U48B-+): R282.1 U48.5
Net-(U48B--): R280.2 U48.6
Net-(U48C-V+): C176.1 C181.1 R283.1 U48.8 U51.1
Net-(U48C-V-): C176.2 C181.2 R296.2 U48.4 U51.12
Net-(U50A-D): U50.2 U50.6 U50.11
Net-(U50B-D): R298.1 U50.8 U50.12
Net-(U51-Clock): U51.10 U53.23
Net-(U51-LOAD): U51.4 U53.20
Net-(U51-RB): R297.2 U51.14
Net-(U51-SD): U51.7 U53.21
Net-(U51-toBUFF): C178.2 R282.2 U51.2
Net-(U52-CD): C185.1 D46.3 U52.5
Net-(U52-VDD): C182.1 D46.1 R285.2 U52.2
Net-(U53-AO): R300.1 U53.4 U54.11
Net-(U53-CS#): R301.2 U53.7 U54.3
Net-(U53-D0): R311.2 U53.10 U55.22 U59.23
Net-(U53-D1): R313.2 U53.11 U55.21 U59.24
Net-(U53-D2): R314.2 U53.13 U55.20 U59.25
Net-(U53-D3): R315.2 U53.14 U55.19 U59.28
Net-(U53-D4): R317.2 U53.15 U55.18 U59.29
Net-(U53-D5): R319.1 U53.16 U55.17 U59.30
Net-(U53-D6): R320.1 U53.17 U55.16 U59.31
Net-(U53-D7): R321.1 U53.18 U55.15 U59.32
Net-(U53-M): R298.2 U53.24
Net-(U53-RD#): R302.2 U53.6 U54.6
Net-(U53-WR#): R304.2 U53.5 U54.8
Net-(U55-A8): R309.2 U55.11
Net-(U55-B8): R312.1 U55.14
Net-(U55-DIR): R305.1 R310.2 U55.2
Net-(U55-G#): C196.2 D48.1 D48.3 R307.2 U55.23
Net-(U55-VCCB): C200.1 U55.24 U59.44
Net-(U57-Bypass): C199.1 U57.2 U57.3
Net-(U57-~{SD}): C197.2 D49.3 R308.1 U57.1
Net-(U59-CMR): C222.1 C223.1 C224.2 R329.1 U59.6
Net-(U59-IOR): U58.11 U59.37
Net-(U59-IOW): U58.8 U59.38
Net-(U59-REF): R324.1 U59.52
Net-(U59-RESET): U36.5 U59.39
Net-(U59-Xin): C217.1 R327.2 U59.34 X4.1
Net-(U59-Xout): C212.2 U59.35 X4.2
Net-(U60-CD): C208.2 U60.5
Net-(U61-Pad2): U61.2 U61.5 U62.3
Net-(U63-C_EXT): R356.2 R357.1 U63.12
Net-(U63-CS): U63.55 U66.7
Net-(U63-IO0): U63.66 U64.1
Net-(U63-IORD): R350.2 R354.1 U61.3 U63.42
Net-(U63-IOWR): R351.1 R355.1 U61.6 U63.43
Net-(U63-MA0): U63.74 U65.20
Net-(U63-MA1): U63.75 U65.19
Net-(U63-MA2): U63.76 U65.18
Net-(U63-MA3): U63.77 U65.17
Net-(U63-MA4): U63.78 U65.16
Net-(U63-MA5): U63.79 U65.15
Net-(U63-MA6): U63.80 U65.14
Net-(U63-MA7): U63.81 U65.13
Net-(U63-MA8): U63.83 U65.3
Net-(U63-MA9): U63.84 U65.2
Net-(U63-MA10): U63.85 U65.31
Net-(U63-MA11): U63.86 U65.1
Net-(U63-MA12): U63.87 U65.12
Net-(U63-MA13): U63.89 U65.4
Net-(U63-MA14): U63.90 U65.5
Net-(U63-MA15): U63.91 U65.11
Net-(U63-MD0): U63.92 U65.21
Net-(U63-MD1): U63.93 U65.22
Net-(U63-MD2): U63.95 U65.23
Net-(U63-MD3): U63.96 U65.25
Net-(U63-MD4): U63.97 U65.26
Net-(U63-MD5): U63.98 U65.27
Net-(U63-MD6): U63.99 U65.28
Net-(U63-MD7): U63.100 U65.29
Net-(U63-PD): U63.57 U66.4
Net-(U63-RC_IN): R356.1 U63.11
Net-(U63-ROMCEL0): U63.71 U65.30
Net-(U63-ROMOEL): U63.72 U65.32
Net-(U63-ROMWEL): R358.1 R359.2 U63.73 U65.7
Net-(U63-SCLK1): U63.53 U66.5
Net-(U63-SI0): U63.59 U66.1
Net-(U63-SI1): U63.58 U66.2
Net-(U63-SO0): U63.62 U66.13
Net-(U63-SO1): U63.60 U66.17
Net-(U66-Cext1): C237.1 C239.2 U66.10
Net-(U66-Cext2): C238.1 U66.20
Net-(U66-Cext3): C241.1 U66.21
Net-(U66-Cext4): C240.1 C242.2 U66.22
Net-(U66-Cext5): C238.2 C243.2 U66.23
Net-(U66-Cext6): C244.1 U66.24
Net-(U66-Cext7): C240.2 U66.25
Net-(U66-Cext8): C241.2 U66.26
Net-(U66-Cext9): C244.2 U66.27
Net-(U69-Pad5): U69.5 U69.7
Net-(U70-INT): R368.2 R372.1 U70.15
Net-(U70-P1B0): R371.2 R373.1 U70.17
Net-(U71-A6): U69.3 U71.9
Net-(U72-Pad9): U72.9 U73.7
Net-(U73-Pad2): U73.2 U76.4
Net-(U75-IRDA_TXD): R402.2 U75.7
Net-(U79-ON/OFF): U78.4 U79.13
Net-(U87-G): U83.1 U83.4 U87.4
Net-(U89A-G): U89.2 U90.24
Net-(U89B-G): U89.4 U90.27
Net-(U90-DH5): U90.16 U92.4
Net-(U90-DL5): U90.19 U93.4
Net-(X3--): C145.1 R205.2 X3.2

Pads without a net: CN1 0; CN2 0; CN3 3; CN4 0 4 9 10 11 12 15; CN5 2 6; CN7 16; D4 3; D31 1; D36 2; D37 2; D40 3; D42 3; DA3 3; DA4 3; DA5 3; DA11 3; H1 1; H2 1; H3 1; H4 1; J3 5 6; J5 31 32 33 34; J6 61 62; J8 3 4; J9 5 6; J10 47 117; J12 3 4; J13 22 30 36 38 51 52; J14 9 10; J15 1 21 22; J16 1 19 20; J18 19 20 21 22 23 24; J19 MP; J20 3; JX1 MP; Q79 2; RA8 7; RA10 8; RA12 5; SW1 3; SW2 3; SW3 3 4; U3 1 7; U4 4; U5 A1 A2 A4 A5 A10 A14 A15 A16 B1 B2 B4 B6 B8 B12 B14 B15 B16 C1 C2 C4 C5 C6 C8 C12 C14 C15 E1 F16 J2 M1 N2 P6 P14 R1 R2 R14 R15 T1 T2 T11 T14 T15 T16; U6 3; U7 20 21; U8 1; U9 A14 A15 B14 C14 D12 E7 E8 E9 E10 F3 F5 F7 F8 F9 F10 F15 F16 G5 G6 G7 G8 G9 G10 G11 G12 H5 H6 H7 H8 H9 H10 H11 H12 J5 J6 J7 J8 J9 J10 J11 J12 K5 K6 K7 K8 K9 K10 K11 K12 K13 K16 L7 L8 L9 L10 L11 M7 M8 M9 M10 N10 R12 T8; U10 11 12 15 30; U11 A1 A2 C3 C4 C8 D4 D5 D10 F6 F7 F8 G6 G7 G8 H6 H7 H8 L10; U12 11 12 13 33 34; U13 11 12 13 33 34; U14 1 2 3 34 46 47 48; U15 12 13 29 37 38; U18 132 135 137; U22 47 49 59 80 82 84 85 91 92 94 96 98 99 100; U24 4; U25 5 9; U27 1 3 19 21 22 99; U28 1; U29 4 5; U30 5; U31 4 5; U33 4 8; U34 8; U37 1; U39 4; U40 4; U41 1; U42 1; U43 10 12 17 22 32 33 34 59 60; U45 9 11 13 18 19 21 22; U46 B3; U49 3; U50 5 9; U51 3 5 6 8 9 11 13 15; U52 4; U53 2 8 9 19 22; U58 6; U59 3 12 13 15 17 19; U60 4; U61 8 11; U62 6 8 11; U63 41 45 48 54 63 64 67 68 69; U65 6 9 10; U66 9 11 14; U71 14; U75 4 9 10; U76 1; U77 6 24; U78 1; U79 14 15; U90 7 8; U91 4 5; X2 2 3 5; X3 3

## Text on the board
F.Silkscreen: PC110-ITX
